# Altium PCB SHD2ZW2v1.2.1.PcbDoc (part 1 of 2) (continued)
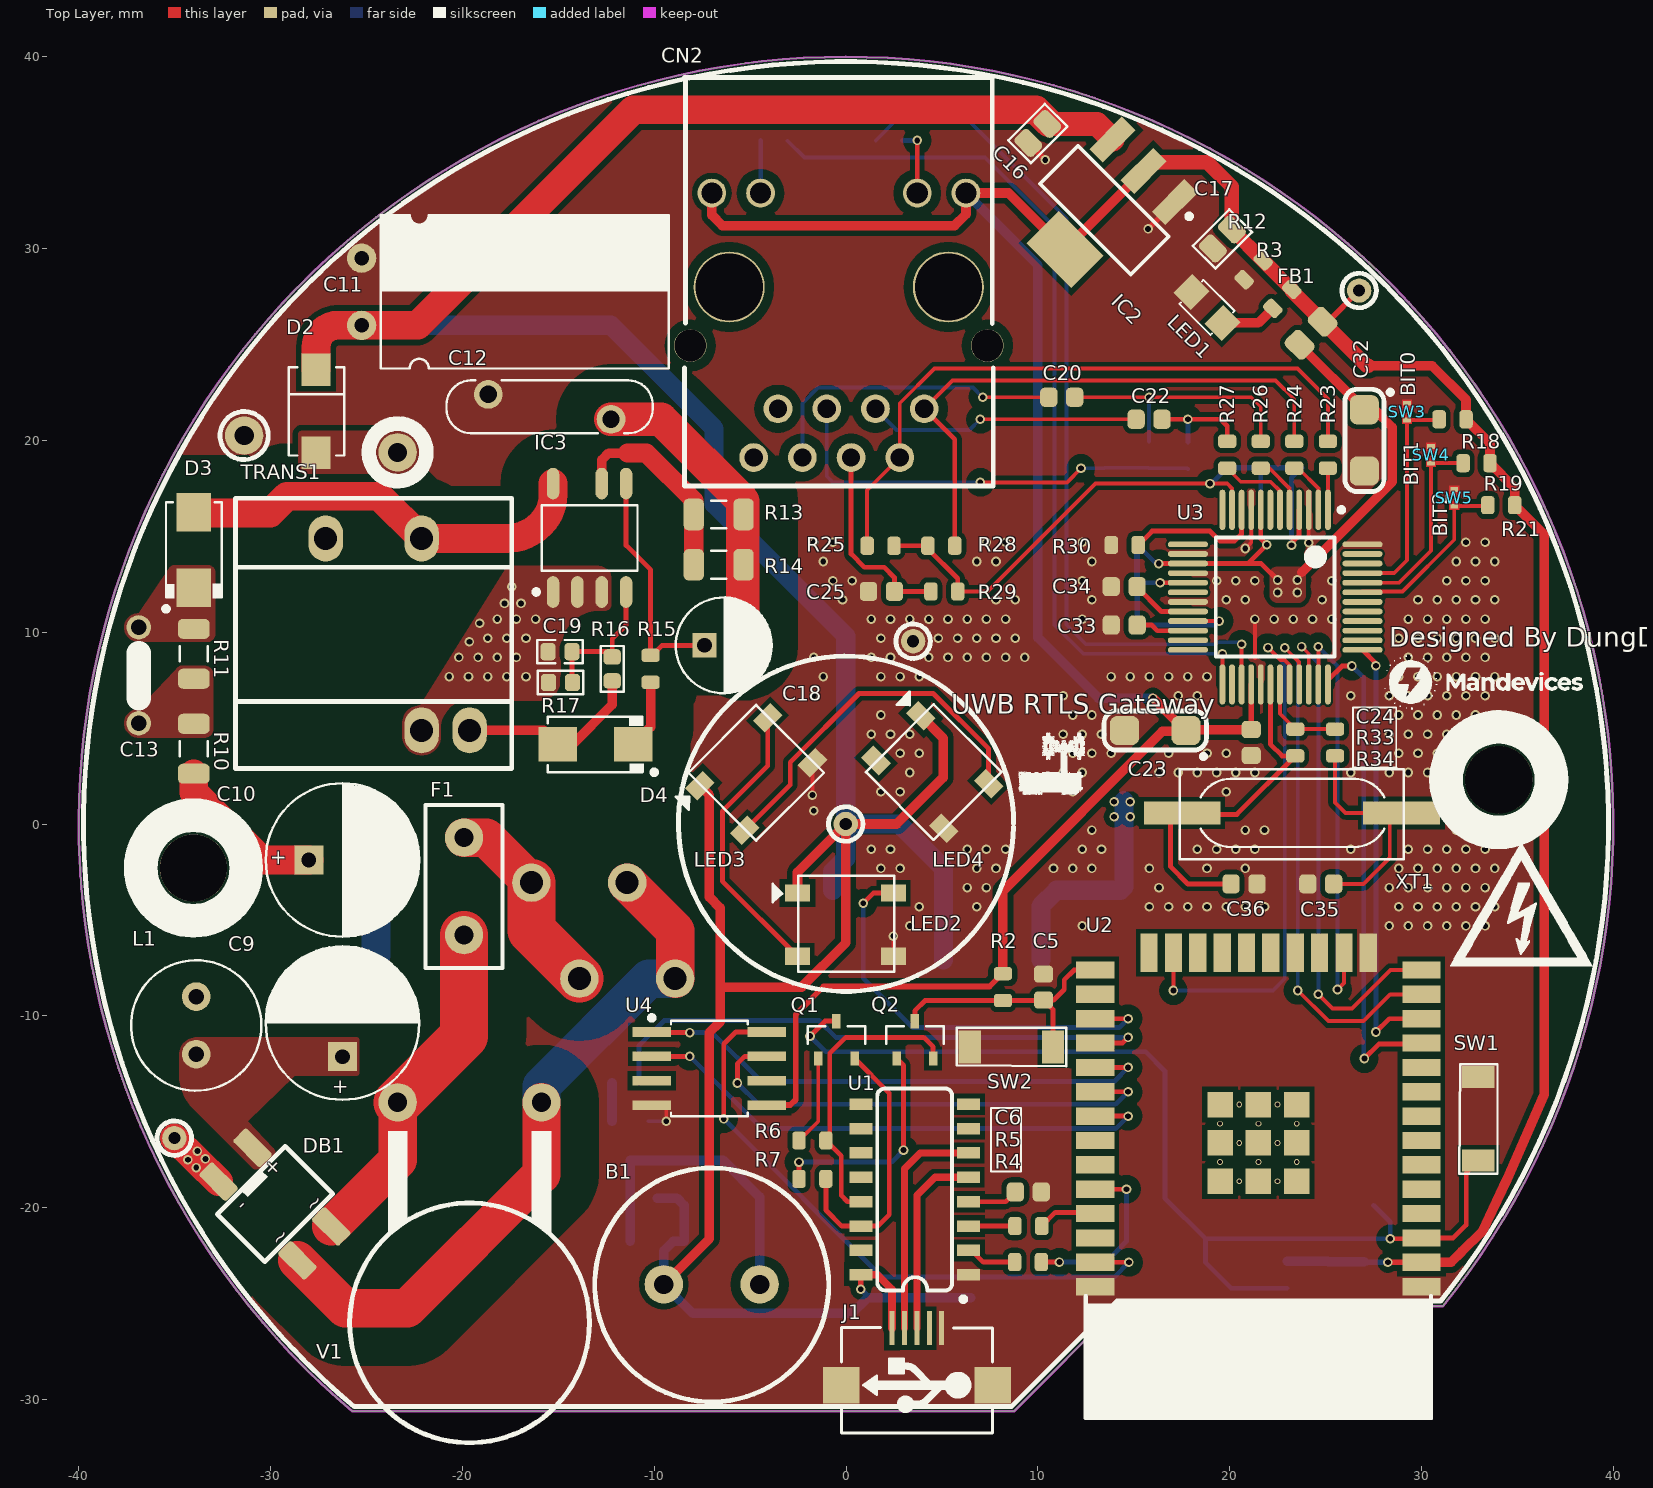
[diagram p0: Top Layer view]
## Part data (continued)
L1: library part RLB0812-102KL, "IND  1000uH 10% 0.12A", BSH Partnumber=L-RLB0812-102KL, Manufacture=Bourns, ComponentLink1Description=Datasheet, ComponentLink1URL=http://www.mouser.com/ds/2/54/LB-777833.pdf, ComponentLink2Description="Link sale", ComponentLink2URL=http://www.mouser.vn/ProductDetail/Bourns/RLB0812-102KL/?qs=%2fha2pyFadugUXycZP3hAKbNHRNMcV3vYTNoRX6lu328P8PrVdgjsIA%3d%3d, Creator=SmartDevice, Datasheet=http://www.mouser.com/ds/2/54/LB-777833.pdf, Date=20160707, Distributor=Mouser, Link sale=http://www.mouser.vn/ProductDetail/Bourns/RLB0812-102KL/?qs=%2fha2pyFadugUXycZP3hAKbNHRNMcV3vYTNoRX6lu328P8PrVdgjsIA%3d%3d, Partnumber=RLB0812-102KL, Pricing (USD)=0.116
LED1: "LED Single colour Green and Red"
LED2 LED3 LED4: library part WS2812B, "Intelligent control LED / integrated light source"
Q1 Q2: "Transistor NPN SOT23 MMTB1815 Pitch_0.90 mm 2.92x2.00x1.11 mm", BSH Partnumber=Q-MMBT1815-TP, Manufacture=Toshiba, ComponentLink1Description=Datasheet, ComponentLink1URL=http://www.cnelectr.net/diodes/pdf/mmbt1815.pdf, ComponentLink2Description="Link sale", ComponentLink2URL=http://www.tme.vn/Product.aspx?id=413, Creator=DucNTc, Datasheet=http://www.cnelectr.net/diodes/pdf/mmbt1815.pdf, Date=20150912, Link sale=http://www.tme.vn/Product.aspx?id=413, Partnumber=MMTB1815, Pricing (USD)=0.025
Q3: "Transistor NPN SOT23 MMBT2222A Pitch_0.90 mm 2.92x2.00x1.11mm", BSH Partnumber=Q-MMBT2222A, Manufacture="Fairchild Semiconductor", ComponentLink1Description=Datasheet, ComponentLink1URL=http://www.mouser.com/ds/2/308/MMBT2222LT1-D-80103.pdf, ComponentLink2Description="Link sale", ComponentLink2URL=http://www.mouser.vn/ProductDetail/ON-Semiconductor/MMBT2222ALT1G/?qs=sGAEpiMZZMutXGli8Ay4kC402l06AIhPIMD2ii7BaQ0%3d, Creator=SmartDevice, Datasheet=http://www.mouser.com/ds/2/308/MMBT2222LT1-D-80103.pdf, Date=20150923, Distributor=Mouser, Link sale=http://www.mouser.vn/ProductDetail/ON-Semiconductor/MMBT2222ALT1G/?qs=sGAEpiMZZMutXGli8Ay4kC402l06AIhPIMD2ii7BaQ0%3d, Partnumber=MMBT2222ALT1G, Pricing (USD)=0.02
R1 R2 R3 R6 R7 R20 R22 R25 R28: library part RC0603FR-0710KL, "RES 0603 10K 1% 100mW", BSH Partnumber=C98220, Manufacture=Yageo, ComponentLink1Description=Datasheet, ComponentLink1URL=https://datasheet.lcsc.com/lcsc/1811101934_YAGEO-RC0603FR-0710KL_C98220.pdf, ComponentLink2Description="Link sale", ComponentLink2URL=https://item.szlcsc.com/99429.html, Creator=Digo, Datasheet=https://datasheet.lcsc.com/lcsc/1811101934_YAGEO-RC0603FR-0710KL_C98220.pdf, Date=20181029, Distributor="LCSC Electronics", Link sale=https://item.szlcsc.com/99429.html, Partnumber=RC0603FR-0710KL, Pricing (USD)=0.002
R4 R5 R18 R19 R21: library part RC0603FR-071KL, "RES 0603 1K 1% 100mW", BSH Partnumber=R-1k-0603-1, Manufacture=Yageo, ComponentLink1Description=Datasheet, ComponentLink1URL=http://www.mouser.com/ds/2/447/RC0603-272842.pdf, ComponentLink2Description="Link sale", ComponentLink2URL=http://vn.mouser.com/ProductDetail/Yageo/RC0603FR-071KL/?qs=%2fha2pyFaduhXXNW8qwNUNqQ9kEEY7HXXvpzZHS3Y0h%2feQEDxZMSpaQ%3d%3d, Creator=SmartDevice, Datasheet=http://www.mouser.com/ds/2/447/RC0603-272842.pdf, Date=20150818, Distributor=Mouser, Link sale=http://vn.mouser.com/ProductDetail/Yageo/RC0603FR-071KL/?qs=%2fha2pyFaduhXXNW8qwNUNqQ9kEEY7HXXvpzZHS3Y0h%2feQEDxZMSpaQ%3d%3d, Partnumber=RC0603FR-071KL, Pricing (USD)=0.002
R8: library part RC0603JR-071KL, "RES 0603 1K 5% 100mW", BSH Partnumber=R-1K-0603-5, Manufacture=Yageo, ComponentLink1Description=Datasheet, ComponentLink1URL=http://www.mouser.com/ds/2/447/RC0603-272842.pdf, ComponentLink2Description="Link sale", ComponentLink2URL=http://www.mouser.vn/ProductDetail/Yageo/RC0603JR-071KL/?qs=%2fha2pyFaduiI%252b%2f%2fp%2fYhTTYiezRJ8nHxshEHwOaiSZf9t3tyz6IYSbg%3d%3d, Creator=SmartDevice, Datasheet=http://www.mouser.com/ds/2/447/RC0603-272842.pdf, Date=20160721, Distributor=Mouser, Link sale=http://www.mouser.vn/ProductDetail/Yageo/RC0603JR-071KL/?qs=%2fha2pyFaduiI%252b%2f%2fp%2fYhTTYiezRJ8nHxshEHwOaiSZf9t3tyz6IYSbg%3d%3d, Partnumber=RC0603JR-071KL, Pricing (USD)=0.002
R9: library part RC0603JR-074K7L, "RES 0603 4K7 5% 100mW", BSH Partnumber=R-4K7-0603-5, Manufacture=Yageo, ComponentLink1Description=Datasheet, ComponentLink1URL=http://www.mouser.com/ds/2/447/RC0603-272842.pdf, ComponentLink2Description="Link sale", ComponentLink2URL=http://vn.mouser.com/ProductDetail/Yageo/RC0603JR-074K7L/?qs=sGAEpiMZZMu61qfTUdNhG5eFuApKbqVdnRFv6b%2fvKA4%3d, Creator=SmartDevice, Datasheet=http://www.mouser.com/ds/2/447/RC0603-272842.pdf, Date=20150818, Distributor=Mouser, Link sale=http://vn.mouser.com/ProductDetail/Yageo/RC0603JR-074K7L/?qs=sGAEpiMZZMu61qfTUdNhG5eFuApKbqVdnRFv6b%2fvKA4%3d, Partnumber=RC0603JR-074K7L, Pricing (USD)=0.002
R10: library part RC1206JR-07470RL, "RES 1206 470R 5% 250mW", BSH Partnumber=R-470R-1206-5, Manufacture=Yageo, ComponentLink1Description=Datasheet, ComponentLink1URL=http://www.mouser.com/ds/2/447/PYu-RC1206_51_RoHS_L-4-349080.pdf, ComponentLink2Description="Link sale", ComponentLink2URL=http://www.mouser.vn/ProductDetail/Yageo/RC1206JR-07470RL/?qs=%2fha2pyFadugAv10W5eASAinpIUt6qtrVv1pLdKpZoto0rQMznlyYjg%3d%3d, Creator=SmartDevice, Datasheet=http://www.mouser.com/ds/2/447/PYu-RC1206_51_RoHS_L-4-349080.pdf, Date=20160716, Distributor=Mouser, Link sale=http://www.mouser.vn/ProductDetail/Yageo/RC1206JR-07470RL/?qs=%2fha2pyFadugAv10W5eASAinpIUt6qtrVv1pLdKpZoto0rQMznlyYjg%3d%3d, Partnumber=RC1206JR-07470RL, Pricing (USD)=0.004
R11: library part RC1206JR-07100KL, "RES 1206 100K 5% 250mW", BSH Partnumber=R-100K-1206-5, Manufacture=Yageo, ComponentLink1Description=Datasheet, ComponentLink1URL=http://www.mouser.com/ds/2/447/PYu-RC1206_51_RoHS_L-4-349080.pdf, ComponentLink2Description="Link sale", ComponentLink2URL=http://www.mouser.vn/ProductDetail/Yageo/RC1206JR-07100KL/?qs=%2fha2pyFadugAv10W5eASAgAbIwDj0mC5zdBHJsZxIFkHK6MBmZ2tew%3d%3d, Creator=SmartDevice, Datasheet=http://www.mouser.com/ds/2/447/PYu-RC1206_51_RoHS_L-4-349080.pdf, Date=20160716, Distributor=Mouser, Link sale=http://www.mouser.vn/ProductDetail/Yageo/RC1206JR-07100KL/?qs=%2fha2pyFadugAv10W5eASAgAbIwDj0mC5zdBHJsZxIFkHK6MBmZ2tew%3d%3d, Partnumber=RC1206JR-07100KL, Pricing (USD)=0.004
R12: library part RC0603JR-073K3L, "RES 0603 3.3K 5% 100mW", BSH Partnumber=R-3K3-0603-5, Manufacture=Yageo, ComponentLink1Description=Datasheet, ComponentLink1URL=http://www.mouser.com/ds/2/447/RC0603-272842.pdf, ComponentLink2Description="Link sale", ComponentLink2URL=http://www.mouser.vn/ProductDetail/Yageo/RC0603JR-073K3L/?qs=%2fha2pyFaduiI%252b%2f%2fp%2fYhTTUC9G%2ftM89tiss13Vr5bentGgwH5efyYUg%3d%3d, Creator=SmartDevice, Datasheet=http://www.mouser.com/ds/2/447/RC0603-272842.pdf, Date=20160716, Distributor=Mouser, Link sale=http://www.mouser.vn/ProductDetail/Yageo/RC0603JR-073K3L/?qs=%2fha2pyFaduiI%252b%2f%2fp%2fYhTTUC9G%2ftM89tiss13Vr5bentGgwH5efyYUg%3d%3d, Partnumber=RC0603JR-073K3L, Pricing (USD)=0.002
R13 R14: library part RC1206FR-073R3L, "RES 1206 3R3 1% 250mW", BSH Partnumber=R-3R3-1206-1, Manufacture=Yageo, ComponentLink1Description=Datasheet, ComponentLink1URL=http://www.mouser.com/ds/2/447/PYu-RC1206_51_RoHS_L-4-349080.pdf, ComponentLink2Description="Link sale", ComponentLink2URL=http://www.mouser.vn/ProductDetail/Yageo/RC1206FR-073R3L/?qs=%2fha2pyFaduhRUg1%252bSfBETOq42wV2vAUJY3MnS0bXa6FiCpwrrcH8OQ%3d%3d, Creator=SmartDevice, Datasheet=http://www.mouser.com/ds/2/447/PYu-RC1206_51_RoHS_L-4-349080.pdf, Date=20160716, Distributor=Mouser, Link sale=http://www.mouser.vn/ProductDetail/Yageo/RC1206FR-073R3L/?qs=%2fha2pyFaduhRUg1%252bSfBETOq42wV2vAUJY3MnS0bXa6FiCpwrrcH8OQ%3d%3d, Partnumber=RC1206FR-073R3L, Pricing (USD)=0.009
R15: library part RC0603JR-0710RL, "RES 0603 10R 5% 100mW", BSH Partnumber=R-10R-0603-5, Manufacture=Yageo, ComponentLink1Description=Datasheet, ComponentLink1URL=http://www.mouser.com/ds/2/447/RC0603-272842.pdf, ComponentLink2Description="Link sale", ComponentLink2URL=http://vn.mouser.com/ProductDetail/Yageo/RC0603JR-0710RL/?qs=sGAEpiMZZMu61qfTUdNhG5eFuApKbqVd7N2n6WR6Q2s%3d, Creator=SmartDevice, Datasheet=http://www.mouser.com/ds/2/447/RC0603-272842.pdf, Date=20150818, Distributor=Mouser, Link sale=http://vn.mouser.com/ProductDetail/Yageo/RC0603JR-0710RL/?qs=sGAEpiMZZMu61qfTUdNhG5eFuApKbqVd7N2n6WR6Q2s%3d, Partnumber=RC0603JR-0710RL, Pricing (USD)=0.002
R16: library part RC0603FR-0715KL, "RES 0603 15k 1% 100mW", BSH Partnumber=R-15K-0603-1, Manufacture=Yageo, ComponentLink1Description=Datasheet, ComponentLink1URL=http://www.mouser.com/ds/2/447/RC0603-272842.pdf, ComponentLink2Description="Link sale", ComponentLink2URL=http://www.mouser.vn/ProductDetail/Yageo/RC0603FR-0715KL/?qs=%2fha2pyFaduhXXNW8qwNUNlRLrWlOrSb86bYDLRXgp06KHZvTB0LjtA%3d%3d, Creator=SmartDevice, Datasheet=http://www.mouser.com/ds/2/447/RC0603-272842.pdf, Date=20160716, Distributor=Mouser, Link sale=http://www.mouser.vn/ProductDetail/Yageo/RC0603FR-0715KL/?qs=%2fha2pyFaduhXXNW8qwNUNlRLrWlOrSb86bYDLRXgp06KHZvTB0LjtA%3d%3d, Partnumber=RC0603FR-0715KL, Pricing (USD)=0.002
R17: library part RC0603FR-073K9L, "RES 0603 3K9 1% 100mW", BSH Partnumber=R-3K9-0603-1, Manufacture=Yageo, ComponentLink1Description=Datasheet, ComponentLink1URL=http://www.yageo.com.tw/exep/pages/download/literatures/PYu-R_INT-thick_7.pdf, ComponentLink2Description="Link sale", ComponentLink2URL=http://www.digikey.com/product-detail/en/yageo/RC0603FR-073K9L/311-3.90KHRTR-ND/727136, Creator=SmartDevice, Datasheet=http://www.yageo.com.tw/exep/pages/download/literatures/PYu-R_INT-thick_7.pdf, Date=20160714, Distributor=Digikey, Link sale=http://www.digikey.com/product-detail/en/yageo/RC0603FR-073K9L/311-3.90KHRTR-ND/727136, Partnumber=RC0603FR-073K9L, Pricing (USD)=0.0013
R23 R24 R26 R27: library part RC0603JR-0733RL, "RES 0603 33R 5% 100mW", BSH Partnumber=R-33R-0603-5, Manufacture=Yageo, ComponentLink1Description=Datasheet, ComponentLink1URL=http://www.mouser.com/ds/2/447/RC0603-272842.pdf, ComponentLink2Description="Link sale", ComponentLink2URL=http://vn.mouser.com/ProductDetail/Yageo/RC0603JR-0733RL/?qs=%2fha2pyFaduiI%252b%2f%2fp%2fYhTTdPtw1Ix8qdvSFVlr4feI0MvuVkMxYqj1w%3d%3d, Creator=ChienNQ, Datasheet=http://www.mouser.com/ds/2/447/RC0603-272842.pdf, Date=20150818, Link sale=http://vn.mouser.com/ProductDetail/Yageo/RC0603JR-0733RL/?qs=%2fha2pyFaduiI%252b%2f%2fp%2fYhTTdPtw1Ix8qdvSFVlr4feI0MvuVkMxYqj1w%3d%3d, Partnumber=RC0603JR-0733RL, Pricing (USD)=0.002
R29: library part RC0603JR-0710RL, "RES 0603 10R 5% 100mW", BSH Partnumber=C109317, Manufacture=Yageo, ComponentLink1Description=Datasheet, ComponentLink1URL=https://datasheet.lcsc.com/lcsc/1810010232_YAGEO-RC0603JR-0710RL_C109317.pdf, ComponentLink2Description="Link sale", ComponentLink2URL=https://item.szlcsc.com/110538.html, Creator=Digo, Datasheet=https://datasheet.lcsc.com/lcsc/1810010232_YAGEO-RC0603JR-0710RL_C109317.pdf, Date=20150818, Distributor="LCSC Electronics", Link sale=https://item.szlcsc.com/110538.html, Partnumber=RC0603JR-0710RL, Pricing (USD)=0.002
R30: library part RC0603FR-0712K4L, "RES 0603 12.4K 1% 100mW", BSH Partnumber=R-12K4-0603-1, Manufacture=Yageo, ComponentLink1Description=Datasheet, ComponentLink1URL=http://www.mouser.com/ds/2/447/RC0603-272842.pdf, ComponentLink2Description="Link sale", ComponentLink2URL=http://vn.mouser.com/ProductDetail/Yageo/RC0603FR-0712K4L/?qs=%2fha2pyFaduhXXNW8qwNUNtQbIe9NkWgBBZ6AkwbdyUcbVAv%2f5NVMmA%3d%3d, Creator=ChienNQ, Datasheet=http://www.mouser.com/ds/2/447/RC0603-272842.pdf, Date=20150818, Link sale=http://vn.mouser.com/ProductDetail/Yageo/RC0603FR-0712K4L/?qs=%2fha2pyFaduhXXNW8qwNUNtQbIe9NkWgBBZ6AkwbdyUcbVAv%2f5NVMmA%3d%3d, Partnumber=RC0603FR-0712K4L, Pricing (USD)=0.002
R31 R32: library part RC0603JR-07330RL, "RES 0603 330R 5% 100mW", BSH Partnumber=R-330R-0603-5, Manufacture=Yageo, ComponentLink1Description=Datasheet, ComponentLink1URL=http://www.mouser.com/ds/2/447/RC0603-272842.pdf, ComponentLink2Description="Link sale", ComponentLink2URL=http://vn.mouser.com/ProductDetail/Yageo/RC0603JR-07330RL/?qs=sGAEpiMZZMu61qfTUdNhG0fejjHH2KXS1w8pBW1iJYA%3d, Creator=SmartDevice, Datasheet=http://www.mouser.com/ds/2/447/RC0603-272842.pdf, Date=20150818, Distributor=Mouser, Link sale=http://vn.mouser.com/ProductDetail/Yageo/RC0603JR-07330RL/?qs=sGAEpiMZZMu61qfTUdNhG0fejjHH2KXS1w8pBW1iJYA%3d, Partnumber=RC0603JR-07330RL, Pricing (USD)=0.002
R33: library part RC0603JR-072ML, "RES 0603 2M 5% 100mW", BSH Partnumber=R-2M-0603-5, Manufacture=Yageo, ComponentLink1Description=Datasheet, ComponentLink1URL=http://www.yageo.com.tw/exep/pages/download/literatures/PYu-R_INT-thick_7.pdf, ComponentLink2Description="Link sale", ComponentLink2URL=https://www.digikey.com/product-detail/en/yageo/RC0603JR-072ML/311-2.0MGRCT-ND/729674, Creator=NamNHc, Datasheet=http://www.yageo.com.tw/exep/pages/download/literatures/PYu-R_INT-thick_7.pdf, Date=20170605, Distributor=Mouser, Link sale=https://www.digikey.com/product-detail/en/yageo/RC0603JR-072ML/311-2.0MGRCT-ND/729674, Partnumber=RC0603JR-072ML, Pricing (USD)=0.002
R34: library part RC0603JR-070RL, "RES 0603 0R 5% 100mW", BSH Partnumber=C95177, Manufacture=Yageo, ComponentLink1Description=Datasheet, ComponentLink1URL=https://datasheet.lcsc.com/lcsc/1809281528_YAGEO-RC0603JR-070RL_C95177.pdf, ComponentLink2Description="Link sale", ComponentLink2URL=https://item.szlcsc.com/96378.html, Creator=Digo, Datasheet=https://datasheet.lcsc.com/lcsc/1809281528_YAGEO-RC0603JR-070RL_C95177.pdf, Date=20160716, Distributor="LCSC Electronics", Link sale=https://item.szlcsc.com/96378.html, Partnumber=RC0603JR-070RL, Pricing (USD)=0.002
SW1 SW2: library part SW2, "Switch button 2 pin"
SW3 SW4 SW5: library part "PCB Switch NO", BSH Partnumber="New part", Manufacture=Wething, ComponentLink1Description=Datasheet, ComponentLink2Description="Link sale", Creator=NamNH, Date=20201009, Distributor=Mouser, Partnumber="PCB Switch NO", Pricing (USD)=0.32
TP1 TP2 TP3 TP4: library part TP1, "Test Point Multilayer", BSH Partnumber=TP, ComponentLink1Description=Datasheet, ComponentLink2Description="Link sale", Creator=DucNTc, Date=20150912, Partnumber=TP1
TRANS1: "Transformer 5V/1A Power", BSH Partnumber=T-HTK-MUC51, Manufacture="Tabuchi electric", ComponentLink1Description=Datasheet, ComponentLink2Description="Link sale", Creator=NamNHc, Date=20160614, Distributor="Tabuchi Viet Nam", Partnumber=HTK-MUC51, Pricing (USD)=2
U1: "USB to serial chip CH340", Package=Package, Availability=Unavailable, Check_prices=https://www.snapeda.com/parts/CH340C/WCH/view-part/5428851/?ref=eda, ComponentLink1Description=https://shopee.vn/10-Ic-Ch340C-Ch340-Sop-16-Ic-Ch%E1%BA%A5t-L%C6%B0%E1%BB%A3ng-Cao-i.354017206.3568923182?gclid=CjwKCAjwgviIBhBkEiwA10D2jxg9RuL2f9hWoYHeo_FSM6pspJ3WHd-aH4B39ByWSgvqeA63UJxyaRoCPFwQAvD_BwE, ComponentLink1URL=https://shopee.vn/10-Ic-Ch340C-Ch340-Sop-16-Ic-Ch%E1%BA%A5t-L%C6%B0%E1%BB%A3ng-Cao-i.354017206.3568923182?gclid=CjwKCAjwgviIBhBkEiwA10D2jxg9RuL2f9hWoYHeo_FSM6pspJ3WHd-aH4B39ByWSgvqeA63UJxyaRoCPFwQAvD_BwE, ComponentLink2Description=https://shopee.vn/IC-giao-ti%E1%BA%BFp-USB-UART-CH340C-i.211729822.6315362497, ComponentLink2URL=https://shopee.vn/IC-giao-ti%E1%BA%BFp-USB-UART-CH340C-i.211729822.6315362497, MF=WCH, MP=CH340C, Price=None, SnapEDA_Link=https://www.snapeda.com/parts/CH340C/WCH/view-part/5428851/?ref=snap
U2: Manufacturer="Espressif Systems", Manufacturer Part Number=ESP32-WROOM-32E(4MBHIGHTEMP), Supplier Part Number 1=1965-ESP32-WROOM-32E(4MBHIGHTEMP)CT-ND, ComponentLink1Description=https://banlinhkien.vn/goods-9735-esp32-wroom-32-esp32-soc-chinh-hang.html, ComponentLink1URL=https://banlinhkien.vn/goods-9735-esp32-wroom-32-esp32-soc-chinh-hang.html, Pricing 1="1=3.15 (USD)", Stock 1=0, Supplier 1=Digi-Key
U3: "Hardwired TCP/IP embedded Ethernet controller that provides  / easier Internet connection to embedded systems"
U4: "3V 128M-BIT / SERIAL FLASH MEMORY WITH  / DUAL/QUAD SP"
V1: library part V10E300P, "Varistors 300V 10mm Epoxy UltraMOV", BSH Partnumber="New part", Manufacture="Little Fuse", ComponentLink1Description=Datasheet, ComponentLink1URL=http://www.mouser.com/ds/2/240/Littelfuse_MOV_UltraMOV-67928.pdf, ComponentLink2Description="Link sale", ComponentLink2URL=http://www.mouser.vn/ProductDetail/Littelfuse/V10E300P/?qs=sGAEpiMZZMuQmL5N8IqpX830%2f%252b2kYIgxyGDqkDiNBrs%3d, Creator=NamNHc, Datasheet=http://www.mouser.com/ds/2/240/Littelfuse_MOV_UltraMOV-67928.pdf, Date=20170329, Distributor=Mouser, Link sale=http://www.mouser.vn/ProductDetail/Littelfuse/V10E300P/?qs=sGAEpiMZZMuQmL5N8IqpX830%2f%252b2kYIgxyGDqkDiNBrs%3d, Partnumber=V10E300P, Pricing (USD)=0.161
XT1: library part XT2_1, "CRYSTAL 12.0000MHZ 18PF SMD", Manufacturer="IQD Frequency Products", Package=HC-49/US, Part number=LFXTAL036356REEL, Category=Crystals, User_Description="CRYSTAL 12.0000MHZ 18PF SMD"

## Free pads (board coordinates)
  round 3.5 hole 3.5: 0(-34.02,-2.29) 1(34.03,2.31)
  rect 2x3 smd far side: 1(14.492,1.214) 4(14.462,-7.5)
  round 2 hole 1: 2(-23.375,19.375) 3(-31.375,20.25)

## Via types
v1: diameter 0.5, hole 0.3, Top Layer to Bottom Layer, tented both sides, 316 vias
v2: diameter 0.3, hole 0.2, Top Layer to Bottom Layer, tented both sides, 12 vias

## Nets (pads, with @x,y where several pads share a name; then routed paths per layer and width w, separated by ;. In a path a pad name is that pad's centre, name@x,y a point inside that pad or via, vN(x,y) a via of type N, cw(c..) or ccw(c..) an arc to the next point about the centre after c; other vN are vias at no path point)
+3V3: C7.2 C8.2 C17.2 C23.1 C24.2 CN2.9 CN2.12 FB1.1 IC2.2 IC2.4 R1.2 R2.2 R3.2 R12.2 R18.1 R19.1 R21.1 TP3.1 U2.2 U3.28 U4.5 | length 186.1
  Top Layer w0.3: U4.5@-4.125,-14.655 -2.905,-14.655 -2.625,-14.375 -2.625,-9.925 -1.17,-8.47 7.476,-8.47 R2.2@8.146,-7.8 ; C24.2@21.125,4.925 21.125,7.066 21.129,7.07 U3.28@21.129,7.279 ; FB1.1@24.851,26.187 25.125,26.187 TP3.1@26.75,27.812 ; v1(28.25,-22.85) U2.2@30,-22.85
  Top Layer w0.5: CN2.12@-6.995,32.895 -6.995,31.745 -6.45,31.2 5.666,31.2 6.255,31.789 CN2.9@6.255,32.895 8.473,32.895 IC2.4@11.418,29.949 IC2.2@15.52,34.051 ; R2.2@8.146,-7.8 R2.2@8.181,-7.8 8.181,-3.483 16.5,4.836 C23.1@17.686,4.836 ; v1(16,6.563) 17.686,4.877 C23.1@17.686,4.836 ; C24.2@21.125,4.925 17.775,4.925 C23.1@17.725,4.875 C23.1@17.686,4.836 ; 27.23,23.885 30.565,23.885 32.325,22.125 R18.1@32.325,21.1 33.575,19.85 R19.1@33.575,18.813 34.861,17.527 R21.1@34.861,16.625 36.396,15.09 36.396,-14.125 34.465,-18.525 33.172,-21.25 32.105,-22.279 31.544,-22.85 U2.2@30,-22.85
  Top Layer w0.75: IC2.2@15.52,34.051 15.968,34.499 18.838,34.499 20.12,33.217 C17.2@20.12,30.995 R12.2@21.745,29.37 R3.2@23.245,27.87 23.245,27.793 FB1.1@24.851,26.187 27.153,23.885 27.23,23.885
  Bottom Layer w0.3: C7.2@27.025,-22.822 27.053,-22.85 v1(28.25,-22.85)
  Bottom Layer w0.5: CN2.9@6.255,32.895 10,29.15 10,9.72 13.157,6.563 v1(16,6.563) ; R1.2@23,-22.8 25.125,-22.8 C8.2@25.15,-22.825 27.022,-22.825 C7.2@27.025,-22.822
+3V3A: C26.1 C27.1 C28.1 C29.1 C30.1 C31.1 C32.1 FB1.2 R25.2 R28.1 R29.2 U3.4 U3.8 U3.11 U3.15 U3.17 U3.21 | length 78.7
  Top Layer w0.2: R29.2@5.825,12.125 7.375,12.125 13,17.75 v1(18.977,17.75) 19.875,17.75 20.125,17.5 U3.11@20.125,16.379 ; U3.21@17.825,10.579 v1(19.453,10.579)
  Top Layer w0.254: R25.2@2.502,14.506 2.506,14.51 R28.1@4.27,14.51 4.27,14.355 5.825,12.8 R29.2@5.825,12.125 ; v1@16.296,13.579 v1(16.307,13.579) U3.15@17.825,13.579 20.954,13.579 ; v1(16.375,12.579) U3.17@17.825,12.579 ; U3.8@21.625,16.379 21.625,14.874 v1(21.937,14.563) 20.954,13.579 ; v1(22.5,12.722) 21.643,13.579 20.954,13.579 ; v1(23.227,14.527) 23.227,14.659 23.625,15.057 U3.4@23.625,16.379
  Top Layer w0.5: FB1.2@23.649,24.985 27.025,21.609 C32.1@27.025,21.6 27.562,21.6 28.479,20.683 28.479,17.84 23.765,13.127
  Bottom Layer w0.254: C27.1@15.175,12.375 15.379,12.579 v1(16.375,12.579) ; C28.1@15.178,10.375 19.248,10.375 v1(19.453,10.579) ; C26.1@15.205,14.543 16.169,13.579 v1(16.307,13.579) ; v1(18.977,17.75) 19.05,17.75 C31.1@19.875,18.575 ; C30.1@21.75,18.575 21.624,18.449 21.624,14.875 v1(21.937,14.563) ; v1(23.227,14.527) 23.227,18.052 C29.1@23.75,18.575
  Bottom Layer w0.3: C28.1@15.178,10.375 15.178,12.372 C27.1@15.175,12.375 15.175,14.512 C26.1@15.205,14.543 ; C31.1@19.875,18.575 C30.1@21.75,18.575 C29.1@23.75,18.575
  other v1: 22.5,12.07 23.534,12.07 23.534,12.722